# Altium PCB xialeste.PcbDoc (part 6 of 10)
Units mm, origin at the board's own origin, x right, y up, seen from the top; angles counter-clockwise.
Board outline 203.2 x 171.45 mm, 6 copper layers (L1, L2, L3, L4 (PWR), L5, L6), stack 1.542 mm thick; 748 components, 618 nets, 3334 pads, 1535 vias.
Unrouted connection lines stored in the file: 160.
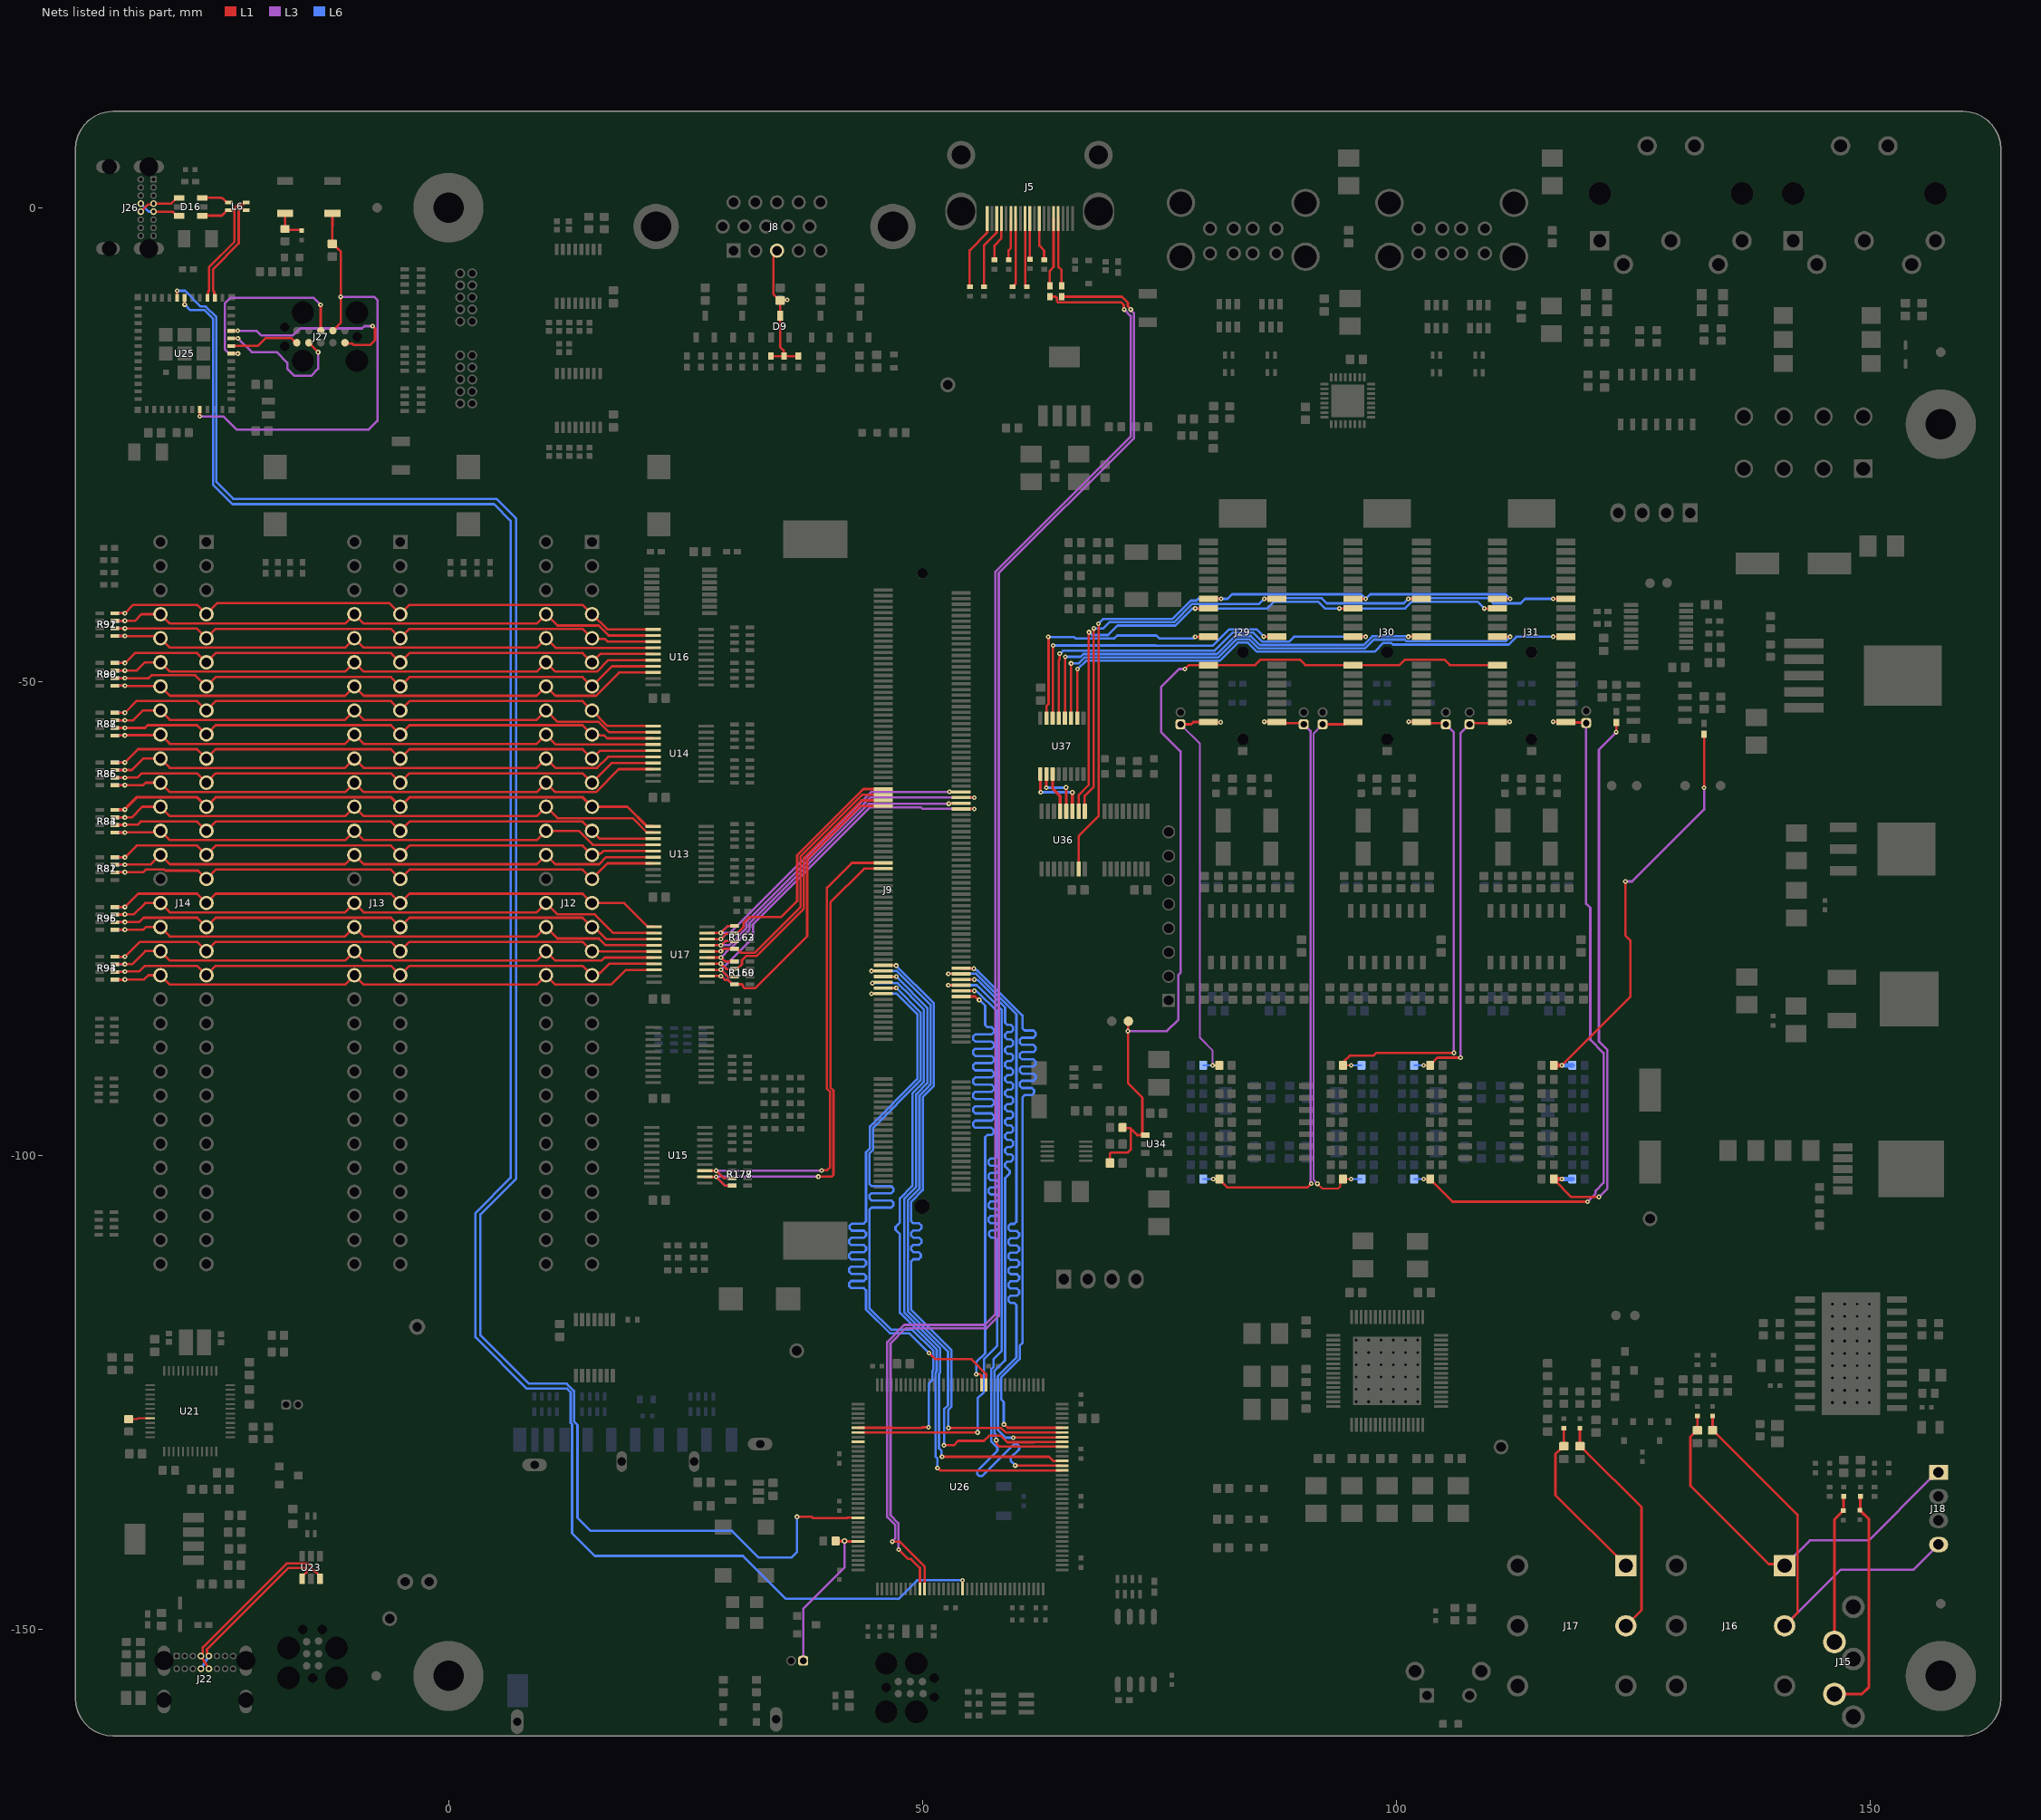
[diagram p10: the nets of this part, all layers, seen from the top]

## Via types
v1: diameter 0.5, hole 0.2, L1 to L6, tented both sides, 977 vias
v2: diameter 1, hole 0.5, L1 to L6, 416 vias
v3: diameter 0.6, hole 0.3, L1 to L6, 96 vias
v4: diameter 0.45, hole 0.25, L1 to L6, 26 vias
v5: diameter 0.5, hole 0.2, L1 to L6, 10 vias
v6: diameter 1, hole 0.5, L1 to L6, tented both sides, 10 vias

## Nets (pads, with @x,y where several pads share a name; then routed paths per layer and width w, separated by ;. In a path a pad name is that pad's centre, name@x,y a point inside that pad or via, vN(x,y) a via of type N, cw(c..) or ccw(c..) an arc to the next point about the centre after c; other vN are vias at no path point) (continued)
BA1: J12.29 J13.29 J14.29 R81.2 R82.7 U13.17 | length 60.5
  L1 w0.25: R81.2@-35.2,-70.15 -35.179,-70.129 -34.432,-70.129 -34.366,-70.129 -34.285,-70.108 v1@-34.075,-70.108 ; v1(-34.15,-70.129) -32.223,-70.129 -31.948,-69.853 -29.98,-69.853 -29.876,-69.957 -26.421,-69.957 J14.29@-25.538,-70.84 -24.551,-69.853 -6.067,-69.853 J13.29@-5.08,-70.84 -4.093,-69.853 14.163,-69.853 J12.29@15.15,-70.84 16.796,-69.194 U13.17@21.6,-69.194
  L6 w0.25: R82.7@-35.2,-70.15 -35.189,-70.139 -34.443,-70.139 -34.432,-70.129
BA2: J12.28 J13.28 J14.28 R81.3 R82.6 U13.16 | length 60.4
  L1 w0.25: R81.3@-35.2,-69.35 -35.179,-69.329 -34.432,-69.329 v1@-34.366,-69.329 ; U13.16@21.6,-68.544 16.649,-68.544 15.906,-69.287 11.286,-69.287 J12.28@10.299,-68.3 9.312,-69.287 -8.944,-69.287 J13.28@-9.931,-68.3 -10.918,-69.287 -29.402,-69.287 J14.28@-30.389,-68.3 -31.397,-69.308 v1@-34.285,-69.308 ; v1@-34.366,-69.329 -34.324,-69.329 v1@-34.285,-69.308 ; v1@-34.366,-69.329 v1@-34.285,-69.308
  L6 w0.25: R82.6@-35.2,-69.35 -35.189,-69.339 -34.443,-69.339 -34.432,-69.329
  other v1: -34.15,-69.329
BA3: J12.27 J13.27 J14.27 R81.4 R82.5 U13.15 | length 60.2
  L1 w0.25: R81.4@-35.2,-68.55 -35.192,-68.558 -34.432,-68.558 -34.343,-68.558 v1@-34.285,-68.565 ; v1(-34.15,-68.558) -32.906,-67.313 -26.525,-67.313 J14.27@-25.538,-68.3 -24.551,-67.313 -6.067,-67.313 J13.27@-5.08,-68.3 -4.093,-67.313 14.163,-67.313 J12.27@15.15,-68.3 15.304,-68.146 16.104,-68.146 16.356,-67.894 U13.15@21.6,-67.894
  L6 w0.25: R82.5@-35.2,-68.55 -35.196,-68.554 -34.436,-68.554 -34.432,-68.558
BA4: J12.26 J13.26 J14.26 R83.1 R84.8 U13.14 | length 60.2
  L1 w0.25: R83.1@-35.2,-65.95 -35.197,-65.947 -34.172,-65.947 -34.13,-65.906 -30.535,-65.906 J14.26@-30.389,-65.76 -29.402,-66.747 -10.918,-66.747 J13.26@-9.931,-65.76 -8.944,-66.747 9.312,-66.747 J12.26@10.299,-65.76 13.754,-65.76 15.238,-67.244 U13.14@21.6,-67.244
  L6 w0.25: R84.8@-35.2,-65.95 -35.197,-65.947 -34.172,-65.947 v1@-34.169,-65.944
  other v1: -34.15,-65.944
BA5: J12.25 J13.25 J14.25 R83.2 R84.7 U13.13 | length 60.4
  L1 w0.25: R83.2@-35.2,-65.15 -35.182,-65.132 -34.169,-65.132 v1(-34.15,-65.113) -32.815,-65.113 -32.475,-64.773 -26.525,-64.773 J14.25@-25.538,-65.76 -24.551,-64.773 -6.067,-64.773 J13.25@-5.08,-65.76 -4.093,-64.773 14.163,-64.773 J12.25@15.15,-65.76 15.984,-66.594 U13.13@21.6,-66.594
  L6 w0.25: R84.7@-35.2,-65.15 -35.182,-65.132 -34.169,-65.132 v1(-34.15,-65.113)
BA6: J12.24 J13.24 J14.24 R83.3 R84.6 U13.12 | length 61.1
  L1 w0.25: R83.3@-35.2,-64.35 v1@-34.183,-64.351 ; v1@-34.182,-64.351 -33.436,-64.351 -32.305,-63.22 J14.24@-30.389,-63.22 -29.402,-64.207 -10.918,-64.207 J13.24@-9.931,-63.22 -8.944,-64.207 9.312,-64.207 J12.24@10.299,-63.22 11.502,-64.423 19.429,-64.423 20.925,-65.919 21.575,-65.919 U13.12@21.6,-65.944
  L6 w0.25: R84.6@-35.2,-64.35 v1@-34.183,-64.351
  other v1: -34.15,-64.351
BA7: J12.23 J13.23 J14.23 R83.4 R84.5 U13.11 | length 61.3
  L1 w0.3: R83.4@-35.2,-63.55 -35.185,-63.535 -34.188,-63.535 -32.861,-62.208 -26.55,-62.208 J14.23@-25.538,-63.22 -24.526,-62.208 -6.092,-62.208 J13.23@-5.08,-63.22 -4.068,-62.208 14.138,-62.208 J12.23@15.15,-63.22 18.876,-63.22 20.95,-65.294 U13.11@21.6,-65.294
  L6 w0.3: R84.5@-35.2,-63.55 -34.243,-63.55 -34.214,-63.52 v1@-34.173,-63.52
  other v1: -34.15,-63.52
BA8: J12.22 J13.22 J14.22 R85.1 R86.8 U14.18 | length 60.9
  L1 w0.25: R85.1@-35.2,-60.95 -35.195,-60.945 -34.283,-60.945 -34.279,-60.941 -32.2,-60.941 -31.939,-60.68 J14.22@-30.389,-60.68 -29.402,-61.667 -10.918,-61.667 J13.22@-9.931,-60.68 -8.944,-61.667 9.312,-61.667 J12.22@10.299,-60.68 11.286,-61.667 15.559,-61.667 17.976,-59.25 U14.18@21.6,-59.25
  L6 w0.25: R86.8@-35.2,-60.95 -35.195,-60.945 -34.283,-60.945 v1@-34.279,-60.941
  other v1: -34.15,-60.941
BA9: J12.21 J13.21 J14.21 R85.2 R86.7 U14.17 | length 60.8
  L1 w0.25: R85.2@-35.2,-60.15 -34.283,-60.15 -32.827,-60.15 -32.37,-59.693 -26.525,-59.693 J14.21@-25.538,-60.68 -24.551,-59.693 -6.067,-59.693 J13.21@-5.08,-60.68 -4.093,-59.693 14.163,-59.693 J12.21@15.15,-60.68 17.23,-58.6 U14.17@21.6,-58.6
  L6 w0.25: R86.7@-35.2,-60.15 -34.319,-60.15 v1@-34.297,-60.129
  other v1: -34.15,-60.15
BA10: J12.20 J13.20 J14.20 R85.3 R86.6 U14.16 | length 60.8
  L1 w0.25: R85.3@-35.2,-59.35 -34.283,-59.35 -33.426,-59.35 -32.216,-58.14 J14.20@-30.389,-58.14 -29.402,-59.127 -10.918,-59.127 J13.20@-9.931,-58.14 -8.944,-59.127 9.312,-59.127 J12.20@10.299,-58.14 11.286,-59.127 15.689,-59.127 16.866,-57.95 U14.16@21.6,-57.95
  L6 w0.25: R86.6@-35.2,-59.35 -34.305,-59.35 v1@-34.288,-59.367
  other v1: -34.15,-59.35
BA11: J12.19 J13.19 J14.19 R85.4 R86.5 U14.15 | length 60.6
  L1 w0.25: R85.4@-35.2,-58.55 v1@-34.285,-58.55 ; v1(-34.15,-58.55) -32.753,-57.153 -26.525,-57.153 J14.19@-25.538,-58.14 -24.551,-57.153 -6.067,-57.153 J13.19@-5.08,-58.14 -4.093,-57.153 14.163,-57.153 J12.19@15.15,-58.14 15.99,-57.3 U14.15@21.6,-57.3
  L6 w0.25: R86.5@-35.2,-58.55 -34.283,-58.55 -34.26,-58.55 v1@-34.251,-58.559
BA12: J12.18 J13.18 J14.18 R87.1 R88.8 U14.14 | length 59.8
  L1 w0.25: R87.1@-35.2,-55.7 -34.285,-55.7 -34.246,-55.662 -30.451,-55.662 J14.18@-30.389,-55.6 -29.402,-56.587 -10.918,-56.587 J13.18@-9.931,-55.6 -8.944,-56.587 9.312,-56.587 J12.18@10.299,-55.6 11.349,-56.65 U14.14@21.6,-56.65
  L6 w0.25: R88.8@-35.2,-55.7 v1@-34.285,-55.7
  other v1: -34.15,-55.7
BA13: J12.17 J13.17 J14.17 R87.2 R88.7 U14.13 | length 60
  L1 w0.25: R87.2@-35.2,-54.9 -34.285,-54.9 v1@-34.231,-54.9 ; v1(-34.15,-54.9) -32.011,-54.9 -31.724,-54.613 -26.525,-54.613 J14.17@-25.538,-55.6 -24.551,-54.613 -6.067,-54.613 J13.17@-5.08,-55.6 -4.093,-54.613 14.163,-54.613 J12.17@15.15,-55.6 15.25,-55.7 16.45,-55.7 16.75,-56 U14.13@21.6,-56
  L6 w0.25: R88.7@-35.2,-54.9 v1@-34.285,-54.9
BA14: J12.16 J13.16 J14.16 R87.3 R88.6 U14.12 | length 60.7
  L1 w0.25: R87.3@-35.2,-54.1 -34.285,-54.1 -33.258,-54.1 -32.218,-53.06 J14.16@-30.389,-53.06 -29.402,-54.047 -10.918,-54.047 J13.16@-9.931,-53.06 -8.944,-54.047 9.312,-54.047 J12.16@10.299,-53.06 11.502,-54.263 15.842,-54.263 16.929,-55.35 U14.12@21.6,-55.35
  L6 w0.25: R88.6@-35.2,-54.1 v1@-34.285,-54.1
  other v1: -34.15,-54.1
BA15: J12.15 J13.15 J14.15 R87.4 R88.5 U14.11 | length 60.8
  L1 w0.25: R87.4@-35.2,-53.3 v1@-34.285,-53.3 ; v1(-34.15,-53.3) -32.923,-52.073 -26.525,-52.073 J14.15@-25.538,-53.06 -24.551,-52.073 -6.067,-52.073 J13.15@-5.08,-53.06 -4.093,-52.073 14.163,-52.073 J12.15@15.15,-53.06 16.79,-54.7 U14.11@21.6,-54.7
  L6 w0.25: R88.5@-35.2,-53.3 v1@-34.285,-53.3
BA16: J12.14 J13.14 J14.14 R89.1 R90.8 U16.18 | length 60.8
  L1 w0.25: R89.1@-35.2,-50.45 -34.285,-50.45 -34.25,-50.485 -30.424,-50.485 J14.14@-30.389,-50.52 -29.402,-51.507 -10.918,-51.507 J13.14@-9.931,-50.52 -8.944,-51.507 9.312,-51.507 J12.14@10.299,-50.52 11.286,-51.507 15.559,-51.507 18.016,-49.05 U16.18@21.6,-49.05
  L6 w0.25: R90.8@-35.2,-50.45 v1@-34.285,-50.45
  other v1: -34.15,-50.45
BA17: J12.13 J13.13 J14.13 R89.2 R90.7 U16.17 | length 60.8
  L1 w0.25: R89.2@-35.2,-49.65 -34.285,-49.65 v1@-34.172,-49.65 ; v1(-34.15,-49.65) -31.642,-49.65 -31.329,-49.338 -26.72,-49.338 J14.13@-25.538,-50.52 -24.551,-49.533 -6.067,-49.533 J13.13@-5.08,-50.52 -4.093,-49.533 14.163,-49.533 J12.13@15.15,-50.52 17.27,-48.4 U16.17@21.6,-48.4
  L6 w0.25: R90.7@-35.2,-49.65 v1@-34.285,-49.65
BA18: J12.12 J13.12 J14.12 R89.3 R90.6 U16.16 | length 60.6
  L1 w0.25: R89.3@-35.2,-48.85 -34.285,-48.85 -32.891,-48.85 -32.021,-47.98 J14.12@-30.389,-47.98 -29.402,-48.967 -10.918,-48.967 J13.12@-9.931,-47.98 -8.944,-48.967 9.312,-48.967 J12.12@10.299,-47.98 11.286,-48.967 15.669,-48.967 16.886,-47.75 U16.16@21.6,-47.75
  L6 w0.25: R90.6@-35.2,-48.85 v1@-34.285,-48.85
  other v1: -34.15,-48.85
BA19: J12.11 J13.11 J14.11 R89.4 R90.5 U16.15 | length 60.4
  L1 w0.25: R89.4@-35.2,-48.05 v1@-34.285,-48.05 ; v1(-34.15,-48.05) -33.093,-46.993 -26.525,-46.993 J14.11@-25.538,-47.98 -24.551,-46.993 -6.067,-46.993 J13.11@-5.08,-47.98 -4.093,-46.993 14.163,-46.993 J12.11@15.15,-47.98 16.03,-47.1 U16.15@21.6,-47.1
  L6 w0.25: R90.5@-35.2,-48.05 v1@-34.285,-48.05
BA20: J12.10 J13.10 J14.10 R91.1 R92.8 U16.14 | length 59.9
  L1 w0.25: R91.1@-35.2,-45.2 -34.285,-45.2 -34.246,-45.238 -30.591,-45.238 J14.10@-30.389,-45.44 -29.402,-46.427 -10.918,-46.427 J13.10@-9.931,-45.44 -8.944,-46.427 9.312,-46.427 J12.10@10.299,-45.44 11.309,-46.45 U16.14@21.6,-46.45
  L6 w0.25: R92.8@-35.2,-45.2 v1@-34.285,-45.2
  other v1: -34.15,-45.2
BA21: J12.9 J13.9 J14.9 R91.2 R92.7 U16.13 | length 59.9
  L1 w0.25: R91.2@-35.2,-44.4 -34.285,-44.4 -26.578,-44.4 J14.9@-25.538,-45.44 -24.552,-44.454 -15.005,-44.454 -15.004,-44.453 -6.067,-44.453 J13.9@-5.08,-45.44 -4.094,-44.454 5.145,-44.454 5.146,-44.453 14.163,-44.453 J12.9@15.15,-45.44 15.21,-45.5 16.5,-45.5 16.8,-45.8 U16.13@21.6,-45.8
  L6 w0.25: R92.7@-35.2,-44.4 v1@-34.285,-44.4
  other v1: -34.15,-44.4
BA22: J12.8 J13.8 J14.8 R91.3 R92.6 U16.12 | length 60.6
  L1 w0.25: R91.3@-35.2,-43.6 -34.285,-43.6 -33.102,-43.6 -32.402,-42.9 J14.8@-30.389,-42.9 -29.402,-43.887 -10.918,-43.887 J13.8@-9.931,-42.9 -8.944,-43.887 9.312,-43.887 J12.8@10.299,-42.9 11.502,-44.103 15.862,-44.103 16.909,-45.15 U16.12@21.6,-45.15
  L6 w0.25: R92.6@-35.2,-43.6 v1@-34.285,-43.6
  other v1: -34.15,-43.6
BA23: J12.7 J13.7 J14.7 R91.4 R92.5 U16.11 | length 60.8
  L1 w0.25: R91.4@-35.2,-42.8 v1@-34.285,-42.8 ; v1(-34.15,-42.8) -33.263,-41.913 -26.525,-41.913 J14.7@-25.538,-42.9 -24.363,-41.725 -6.255,-41.725 J13.7@-5.08,-42.9 -4.093,-41.913 14.163,-41.913 J12.7@15.15,-42.9 15.154,-42.9 16.754,-44.5 U16.11@21.6,-44.5
  L6 w0.25: R92.5@-35.2,-42.8 v1@-34.285,-42.8
BD0: J12.38 J13.38 J14.38 R93.1 R94.8 U17.18 | length 60.6
  L1 w0.25: R93.1@-35.2,-81.45 -35.175,-81.475 -34.292,-81.475 -34.285,-81.5 -34.273,-81.488 v1@-34.25,-81.465 ; v1(-34.15,-81.45) -32.11,-81.45 -31.66,-81 J14.38@-30.389,-81 -29.402,-81.987 -10.918,-81.987 J13.38@-9.931,-81 -8.944,-81.987 9.312,-81.987 J12.38@10.299,-81 11.286,-81.987 17.162,-81.987 18.711,-80.437 U17.18@21.7,-80.437
  L6 w0.25: R94.8@-35.2,-81.45 -34.311,-81.45 v1@-34.3,-81.45
BD1: J12.37 J13.37 J14.37 R93.2 R94.7 U17.17 | length 60.7
  L1 w0.25: R93.2@-35.2,-80.65 -35.178,-80.628 -34.281,-80.628 -34.285,-80.606 -32.638,-80.606 -32.045,-80.013 -26.525,-80.013 J14.37@-25.538,-81 -24.551,-80.013 -6.067,-80.013 J13.37@-5.08,-81 -4.093,-80.013 14.163,-80.013 J12.37@15.15,-81 15.394,-80.756 15.994,-80.756 16.963,-79.787 U17.17@21.7,-79.787
  L6 w0.25: R94.7@-35.2,-80.65 -34.625,-80.65 -34.581,-80.606 v1@-34.285,-80.606
  other v1: -34.15,-80.606
BD2: J12.36 J13.36 J14.36 R93.3 R94.6 U17.16 | length 60.6
  L1 w0.25: R93.3@-35.2,-79.85 -35.196,-79.846 v1@-34.282,-79.846 ; v1@-34.278,-79.85 -34.283,-79.843 -34.285,-79.841 -33.356,-79.841 -31.975,-78.46 J14.36@-30.389,-78.46 -29.402,-79.447 -10.918,-79.447 J13.36@-9.931,-78.46 -8.944,-79.447 9.312,-79.447 J12.36@10.299,-78.46 11.286,-79.447 16.173,-79.447 16.482,-79.138 U17.16@21.7,-79.138
  L6 w0.25: R94.6@-35.2,-79.85 -34.278,-79.85 v1@-34.278,-79.839
  other v1: -34.15,-79.839
BD3: J12.35 J13.35 J14.35 R93.4 R94.5 U17.15 | length 60.4
  L1 w0.25: R93.4@-35.2,-79.05 v1@-34.285,-79.05 ; v1(-34.15,-79.05) -32.573,-77.473 -26.525,-77.473 J14.35@-25.538,-78.46 -24.551,-77.473 -6.067,-77.473 J13.35@-5.08,-78.46 -4.093,-77.473 14.163,-77.473 J12.35@15.15,-78.46 15.164,-78.474 21.686,-78.474 U17.15@21.7,-78.487
  L6 w0.25: R94.5@-35.2,-79.05 v1@-34.285,-79.05
BD4: J12.34 J13.34 J14.34 R95.1 R96.8 U17.14 | length 60.3
  L1 w0.25: R95.1@-35.191,-76.191 -32.184,-76.191 -31.913,-75.92 J14.34@-30.389,-75.92 -29.402,-76.907 -10.918,-76.907 J13.34@-9.931,-75.92 -8.944,-76.907 9.312,-76.907 J12.34@10.299,-75.92 11.502,-77.123 15.873,-77.123 16.588,-77.837 U17.14@21.7,-77.837
  L6 w0.25: R96.8@-35.2,-76.2 -35.19,-76.19 -34.34,-76.19 v1@-34.34,-76.191
  other v1: -34.15,-76.191
BD5: J12.33 J13.33 J14.33 R95.2 R96.7 U17.13 | length 60.3
  L1 w0.25: R95.2@-35.2,-75.4 -35.19,-75.39 -34.364,-75.39 v1@-34.34,-75.39 ; v1(-34.15,-75.39) -32.628,-75.39 -32.171,-74.933 -26.525,-74.933 J14.33@-25.538,-75.92 -24.551,-74.933 -6.067,-74.933 J13.33@-5.08,-75.92 -4.093,-74.933 14.163,-74.933 J12.33@15.15,-75.92 15.37,-75.92 16.638,-77.188 U17.13@21.7,-77.188
  L6 w0.25: R96.7@-35.2,-75.4 -35.19,-75.39 -34.364,-75.39 v1@-34.34,-75.39
BD6: J12.32 J13.32 J14.32 R95.3 R96.6 U17.12 | length 61.3
  L1 w0.25: R95.3@-35.2,-74.6 -35.19,-74.59 v1@-34.34,-74.59 ; v1@-34.324,-74.574 v1@-34.34,-74.59 ; U17.12@21.7,-76.538 17.413,-76.538 15.458,-74.583 11.502,-74.583 J12.32@10.299,-73.38 9.312,-74.367 -8.944,-74.367 J13.32@-9.931,-73.38 -10.918,-74.367 -29.402,-74.367 J14.32@-30.389,-73.38 -32.002,-73.38 -33.202,-74.58 v1@-34.285,-74.58 ; v1@-34.34,-74.59 -34.32,-74.59 v1@-34.285,-74.58 ; v1@-34.34,-74.59 -34.322,-74.587 v1@-34.285,-74.58
  L6 w0.25: R96.6@-35.2,-74.6 -35.19,-74.59 v1@-34.34,-74.59 ; v1@-34.324,-74.574 v1@-34.324,-74.568
  other v1: -34.15,-74.574
BD7: J12.31 J13.31 J14.31 R95.4 R96.5 U17.11 | length 61.3
  L1 w0.25: R95.4@-35.2,-73.8 -35.19,-73.79 -34.34,-73.79 v1@-34.285,-73.78 ; v1(-34.15,-73.797) -32.746,-72.393 -26.525,-72.393 J14.31@-25.538,-73.38 -24.551,-72.393 -6.067,-72.393 J13.31@-5.08,-73.38 -4.093,-72.393 14.163,-72.393 J12.31@15.15,-73.38 18.543,-73.38 21.025,-75.862 21.675,-75.862 U17.11@21.7,-75.887
  L6 w0.25: R96.5@-35.2,-73.8 -35.19,-73.79 -34.34,-73.79 v1@-34.34,-73.797
BLUE: C48.2 D9.3 J8.3 R65.2 R66.2 R67.2 R68.2 | length 16.3
  L1 w0.25: R66.2@34.025,-15.675 R67.2@35.425,-15.675 ; J8.3@34.67,-4.53 34.67,-4.868 34.275,-5.263 34.275,-9.125 34.95,-9.8 34.981,-9.769 35.719,-9.769 v1(35.75,-9.738) ; C48.2@35,-9.8 D9.3@35,-11.4 35,-14.69 35.381,-15.071 35.381,-15.631 R67.2@35.425,-15.675 ; R68.2@36.925,-15.675 R67.2@35.425,-15.675
  L6 w0.25: R65.2@35,-9.7 35.038,-9.738 v1(35.75,-9.738)
BOOT0: J41.1 R292.2 U26.138 | length 18.2
  L1 w0.25: J41.1@37.435,-153.4 J41.1@37.489,-153.346 ; R292.2@40.591,-140.959 R292.2@40.85,-140.7 ; v3(41.8,-140.7) R292.2@40.85,-140.7 ; U26.138@43.224,-140.75 40.9,-140.75 R292.2@40.85,-140.7
  L3 w0.25: J41.1@37.7,-153.1 37.585,-153.1 37.435,-152.95 37.435,-147.865 41.79,-143.51 41.79,-140.71 v3(41.8,-140.7)
BOOT1: R191.2 U21.20 | length 2.3
  L1 w0.2: R191.2@-33.75,-127.85 -32.85,-127.85 -32.75,-127.75 U21.20@-31.5,-127.75
BTINT: C146.1 R206.1 SW2.2 | length 3.5
  L1 w0.25: SW2.2@-17.245,-0.6 R206.1@-17.245,-2.248 -17.157,-2.336 -15.587,-2.336 C146.1@-15.5,-2.423
C_STUSB_D_N: J22.A7 J22.B7 U23.1 | length 17.9
  L1 w0.25: J22.A7@-25.275,-152.837 -25.275,-152.715 -25.475,-152.515 -25.475,-152.112 -16.888,-143.525 -15.025,-143.525 -14.879,-143.671 -14.879,-143.879 -15.45,-144.45 U23.1@-15.45,-144.7
  L6 w0.25: J22.B7@-26.125,-154.187 J22.A7@-25.275,-152.837
C_STUSB_D_P: J22.A6 J22.B6 U23.3 | length 19.5
  L1 w0.25: J22.B6@-25.275,-154.187 J22.A6@-26.125,-152.837 -26.125,-152.715 -25.925,-152.515 -25.925,-151.926 -17.074,-143.075 -14.839,-143.075 -14.429,-143.485 -14.429,-143.625 -14.129,-143.925 -14.075,-143.925 -13.55,-144.45 U23.3@-13.55,-144.7
CLK4P0: J9.102 R177.4 R178.5 U15.2 | length 53.8
  L1 w0.25: U15.2@27.05,-102.275 v1(28.25,-102.275) 29.175,-103.2 R177.4@29.95,-103.2 ; v1(39.03,-102.252) 40.454,-102.252 40.625,-102.08 40.625,-93.159 40.3,-92.834 40.3,-73.325 43.875,-69.75 J9.102@45.9,-69.75
  L3 w0.25: v1(28.25,-102.275) 28.271,-102.254 39.027,-102.254 v1(39.03,-102.252)
  L6 w0.25: v1(28.25,-102.275) 29.165,-103.19 29.94,-103.19 R178.5@29.95,-103.2
CLK4P1: J9.104 R177.3 R178.6 U15.3 | length 54.1
  L1 w0.25: U15.3@27.05,-101.625 v1(28.25,-101.625) ; v1@28.304,-101.625 28.304,-101.657 29.047,-102.4 R177.3@29.95,-102.4 ; v1(39.378,-101.611) 39.417,-101.573 39.973,-101.573 40.275,-101.271 40.275,-93.304 39.95,-92.979 39.95,-71.768 42.568,-69.15 J9.104@45.9,-69.15
  L3 w0.25: v1(28.25,-101.625) 28.257,-101.618 39.372,-101.618 v1(39.378,-101.611)
  L6 w0.25: v1(28.25,-101.625) 28.272,-101.625 29.047,-102.4 R178.6@29.95,-102.4
CON_HDIM_CK_N: J5.12 R48.1 | length 4.6
  L1 w0.25: J5.12@62.35,-1.16 62.35,-4.019 62.85,-4.52 62.85,-5.379 62.876,-5.405 R48.1@62.876,-5.504
CON_HDIM_CK_P: J5.10 R47.1 | length 4.3
  L1 w0.25: J5.10@61.35,-1.16 61.35,-5.319 61.376,-5.345 R47.1@61.376,-5.444
CON_HDIM_D0_N: J5.9 R46.1 | length 7.2
  L1 w0.25: J5.9@60.85,-1.16 60.85,-8.218 60.932,-8.3 R46.1@61,-8.3
CON_HDIM_D0_P: J5.7 R45.1 | length 7.3
  L1 w0.25: R45.1@59.526,-8.344 59.576,-8.344 59.701,-8.219 59.701,-8.169 59.85,-8.02 J5.7@59.85,-1.16
CON_HDIM_D1_N: J5.6 R44.1 | length 4.4
  L1 w0.25: R44.1@59.1,-5.5 59.1,-4.5 59.35,-4.25 J5.6@59.35,-1.16
CON_HDIM_D1_P: J5.4 R43.1 | length 4.7
  L1 w0.25: R43.1@57.7,-5.5 57.626,-5.426 57.626,-3.974 58.35,-3.25 J5.4@58.35,-1.16
CON_HDIM_D2_N: J5.3 R42.1 | length 7.8
  L1 w0.25: R42.1@56.526,-8.344 56.526,-8.245 56.5,-8.219 56.5,-4 57.85,-2.65 J5.3@57.85,-1.16
CON_HDIM_D2_P: J5.1 R41.1 | length 8
  L1 w0.25: R41.1@55.026,-8.344 55.026,-8.245 55,-8.219 55,-4.501 56.85,-2.65 J5.1@56.85,-1.16
CV: C200.2 J29.B12 J30.B12 J31.B12 R278.2 TP9.1 U34.1 | length 100.2
  L1 w0.25: C200.2@69.802,-100.822 69.802,-99.848 69.948,-99.702 71.698,-99.702 72,-99.4 72,-97.2 ; R278.2@71.127,-97.072 71.18,-97.126 71.941,-97.126 72.688,-97.872 U34.1@73.319,-97.872 ; TP9.1@71.75,-85.851 71.725,-85.876 71.725,-86.875 v1(71.7,-86.9) 71.7,-92.383 71.75,-92.433 73.227,-93.91 73.227,-97.697 73.402,-97.872 U34.1@73.527,-97.872 ; v1(77.712,-48.69) 77.74,-48.69 78.15,-48.28 85.126,-48.28 85.701,-47.705 89.855,-47.705 90.43,-48.28 100.366,-48.28 100.941,-47.705 105.095,-47.705 105.67,-48.28 J31.B12@110.7,-48.28
  L3 w0.25: v1(71.7,-86.9) 75.8,-86.9 77.025,-85.675 77.025,-80.972 77.26,-80.737 77.26,-57.368 75.2,-55.308 75.2,-50.6 77.11,-48.69 v1(77.712,-48.69)
CVA0: J29.B7 J30.B7 J31.B7 U36.15 | length 75.9
  L1 w0.25: U36.15@66.497,-69.8 66.497,-66.314 68.6,-64.211 v1(68.6,-43.9) ; J29.B7@80.22,-41.28 v1(81.545,-41.28) ; J30.B7@95.46,-41.28 v1(96.785,-41.28) ; J31.B7@110.7,-41.28 v1(112.025,-41.28)
  L6 w0.25: v1(68.6,-43.9) 69.1,-43.4 76.41,-43.4 78.335,-41.475 78.925,-41.475 79.12,-41.28 v1(81.545,-41.28) 82.22,-41.28 82.695,-40.805 96.31,-40.805 96.72,-41.215 v1@96.785,-41.215 ; v1(96.785,-41.28) 96.795,-41.28 97.27,-40.805 111.55,-40.805 111.96,-41.215 v1@111.985,-41.215
CVA1: J29.A7 J30.A7 J31.A7 U36.1 | length 74.3
  L1 w0.25: U36.1@67.147,-63.7 67.147,-62.053 68.1,-61.1 v1(68.1,-44.4) ; v1(86.095,-41.28) J29.A7@87.42,-41.28 ; v1@101.335,-41.28 J30.A7@102.66,-41.28 ; v1(116.575,-41.28) J31.A7@117.9,-41.28
  L6 w0.25: v1(68.1,-44.4) 69.1,-44.4 69.75,-43.75 76.555,-43.75 78.48,-41.825 85.55,-41.825 86.133,-41.242 86.275,-41.242 86.291,-41.225 92.163,-41.225 92.693,-41.755 100.825,-41.755 v1(101.3,-41.28) v1@101.327,-41.28 ; v1@101.335,-41.28 101.373,-41.242 101.515,-41.242 101.532,-41.225 109.725,-41.225 110.255,-41.755 113.151,-41.755 113.626,-41.28 v1(116.575,-41.28)